# Altium PCB MB1936.PcbDoc (part 9 of 13) (continued)
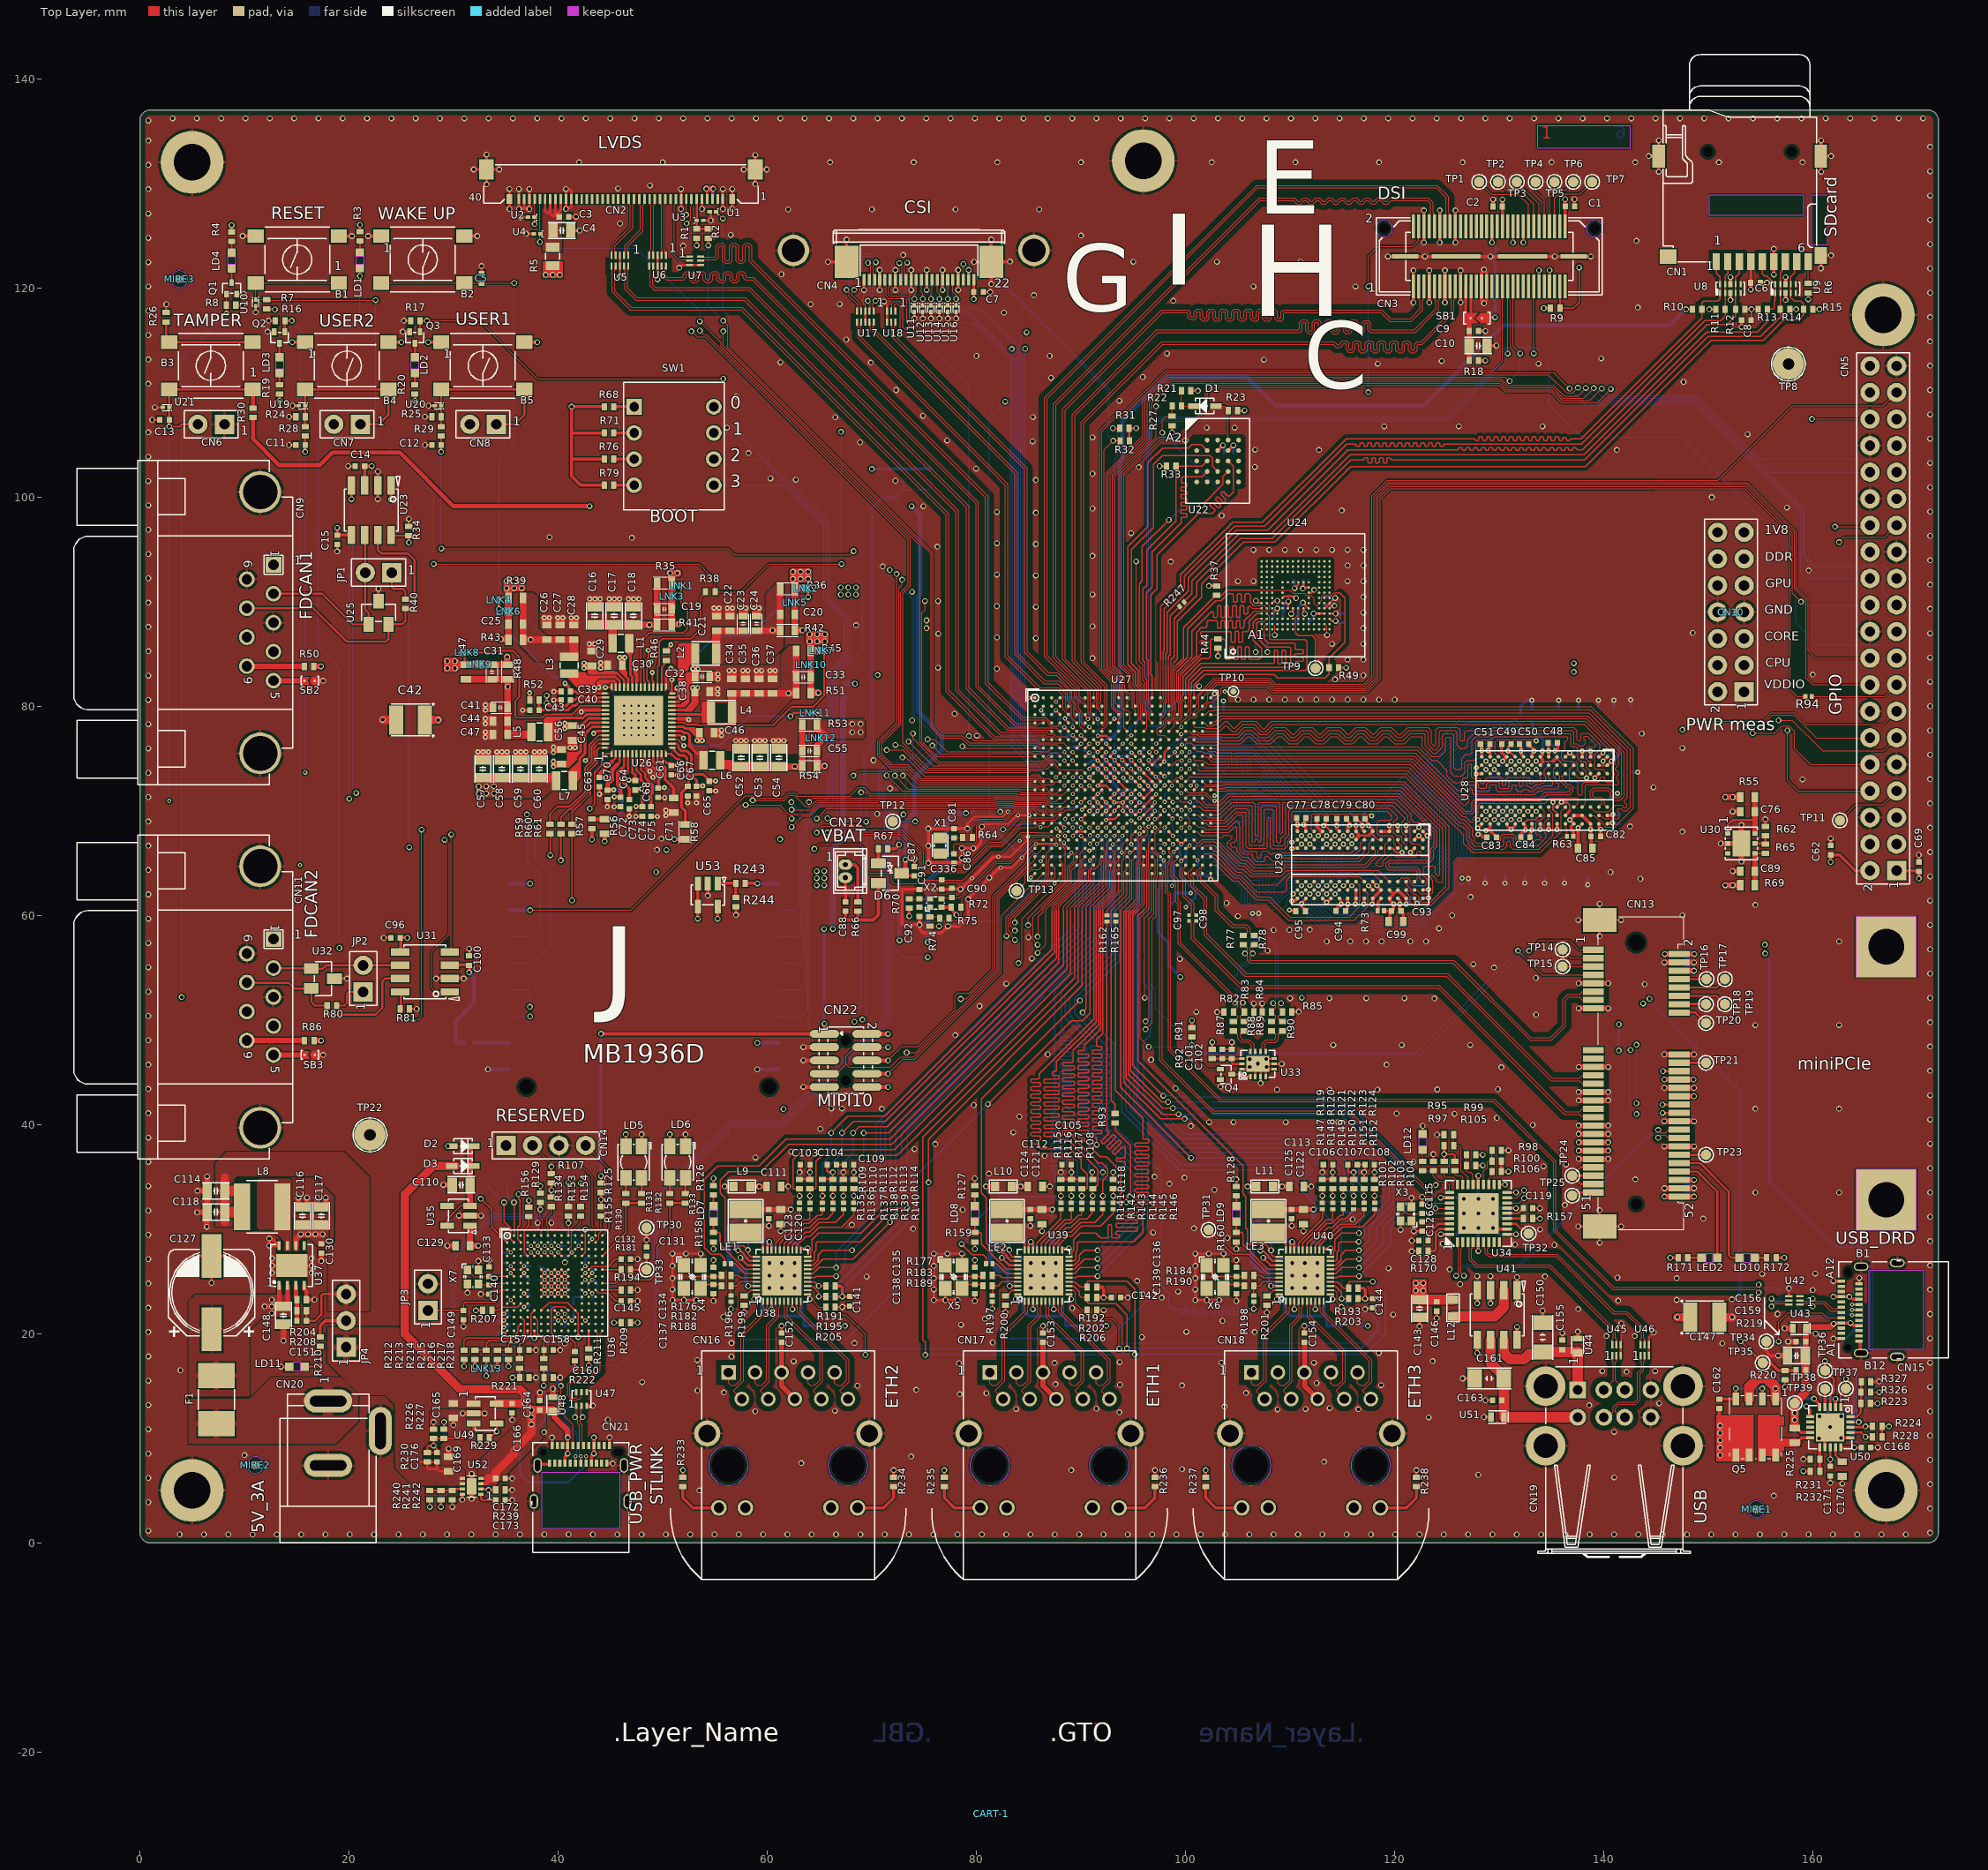
[diagram p0: Top Layer view]
## Nets (pads, with @x,y where several pads share a name; then routed paths per layer and width w, separated by ;. In a path a pad name is that pad's centre, name@x,y a point inside that pad or via, vN(x,y) a via of type N, cw(c..) or ccw(c..) an arc to the next point about the centre after c; other vN are vias at no path point) (continued)
  Signal Layer 2 w0.15: v1(34.515,86.404) 35.354,86.404 35.85,86.9 35.85,88.029 37.275,89.454 37.275,102.529 49.221,114.475 80.951,114.475 82.304,113.122 84.968,113.122 86.596,114.75 103.829,114.75 109.229,109.35 145.279,109.35 155.425,99.204 155.425,84.369 153.876,82.82 151.98,82.82 CN10.4@150.88,83.92
I_SENS_VDDCPU_P: C25.2 C26.2 C27.2 C28.2 CN10.3 L3.2 R39.1 R43.1 | length 174.3
  Top Layer w0.64: R39.1@36.645,90.352 C25.2@36.645,87.852 R43.1@36.645,86.352 C26.2@38.9,86.352 C27.2@40.2,86.352 C28.2@41.5,86.352
  Top Layer w0.8: L3.2@41.05,84.702 41.5,84.702 41.5,86
  Signal Layer 2 w0.15: v1(37.375,86.35) 36.625,86.35 36.1,86.875 36.1,87.925 37.525,89.35 37.525,102.425 49.325,114.225 80.847,114.225 82.201,112.872 85.072,112.872 86.7,114.5 103.725,114.5 109.125,109.1 145.175,109.1 155.15,99.125 155.15,85.65 CN10.3@153.42,83.92
I_SENS_VDDGPU_N: C33.1 CN10.10 LNK10.2 R51.2 | length 128.4
  Top Layer w0.2: C33.1@64.175,82.797 LNK10.2@64.175,83.725
  Top Layer w0.64: R51.2@64.155,81.277 C33.1@64.155,82.777 ; R51.2@64.157,81.279 v1(64.885,81.279)
  Signal Layer 2 w0.15: v1(64.885,81.279) 64.381,80.775 61.839,80.775 61.575,81.039 61.575,84.221 59.223,86.574 59.223,88.101 60.7,89.579 60.7,96.379 68.171,103.85 104.646,103.85 106.171,105.375 142.904,105.375 147.7,100.579 147.7,92.025 148.185,91.54 CN10.10@150.88,91.54
I_SENS_VDDGPU_P: C33.2 C34.2 C35.2 C36.2 C37.2 CN10.9 L4.2 R45.1 R51.1 | length 136.6
  Top Layer w0.64: C34.2@56.6,81.227 C35.2@57.9,81.227 C36.2@59.2,81.227 C37.2@60.5,81.227 R51.1@62.755,81.227 ; R51.1@62.755,81.277 C33.2@62.755,82.777 R45.1@62.755,85.277
  Top Layer w0.8: L4.2@56.625,79.427 56.625,80.9
  Signal Layer 2 w0.15: v1(62.025,81.225) 62.025,84.125 59.473,86.677 59.473,87.998 60.95,89.475 60.95,96.275 68.275,103.6 104.75,103.6 106.275,105.125 142.8,105.125 147.45,100.475 147.45,91.05 148.175,90.325 152.205,90.325 CN10.9@153.42,91.54
I_SENS_VDDIO_N: C55.1 CN10.2 LNK12.1 R54.2 | length 136.5
  Top Layer w0.2: C55.1@64.775,75.797 64.775,76.375 LNK12.1@65.125,76.725
  Top Layer w0.64: R54.2@64.755,74.277 C55.1@64.755,75.727 C55.1@64.755,75.777 ; R54.2@64.757,74.279 v1(65.485,74.279)
  Signal Layer 2 w0.15: v1(65.485,74.279) 64.981,73.775 62.439,73.775 62.175,74.039 62.175,74.411 62.75,74.986 62.75,78.104 65.8,81.154 66.35,81.704 66.35,89.059 65.8,89.609 65.8,90.15 65.8,96.954 69.096,100.25 92.571,100.25 93.721,101.4 105.121,101.4 105.871,102.15 143.175,102.15 145.575,99.75 145.575,84.65 148.845,81.38 CN10.2@150.88,81.38
I_SENS_VDDIO_P: C52.2 C53.2 C54.2 C55.2 CN10.1 L6.2 R53.1 R54.1 | length 144.3
  Top Layer w0.64: C54.2@61.1,74.227 R54.1@63.355,74.227 C55.2@63.355,75.727 R53.1@63.355,78.227
  Top Layer w0.9: L6.2@55.55,74.427 56.35,74.427 56.55,74.227 C52.2@57.5,74.227 C53.2@59.3,74.227 C54.2@61.1,74.227
  Signal Layer 2 w0.15: v1(62.625,74.225) 63,74.6 63,78 66.05,81.05 66.6,81.6 66.6,89.163 66.05,89.713 66.05,96.85 69.2,100 92.675,100 93.825,101.15 105.225,101.15 105.95,101.875 143.097,101.875 145.325,99.647 145.325,84.511 149.741,80.095 152.135,80.095 CN10.1@153.42,81.38
IMU_INT1: CN4.14 U13.1 U27.J6 | length 56.2
  Top Layer w0.1: U13.1@75.66,118.312 v1(75.66,118.937) 75.66,119.55 75.75,119.64 CN4.14@75.75,120.75 ; v2(89.2,74.8) U27.J6@89.6,74.4
  Bottom Layer w0.1: v1(75.66,118.937) 76.422,118.175 80.325,118.175 84.025,114.475 84.025,113.916 84.25,113.691 84.25,77.887 86.937,75.2 88.8,75.2 v2(89.2,74.8)
IMU_INT2: CN4.15 U14.1 U27.K6 | length 63
  Top Layer w0.1: CN4.15@76.25,120.75 76.25,119.595 76.46,119.385 v1(76.46,118.937) U14.1@76.46,118.312 ; v2(89.2,73.2) U27.K6@89.6,73.6
  Bottom Layer w0.1: v1(76.46,118.937) 76.431,118.937 76.006,119.362 73.825,119.362 73.5,119.037 73.5,118.65 74.575,117.575 79.066,117.575 83.45,113.191 83.45,76.67 87.321,72.799 88.8,72.799 v2(89.2,73.2)
JTCK_SWCLK: CN22.4 CN22.7 R153.2 U27.AA1 | length 83.4
  Top Layer w0.1: CN22.7@65.465,44.855 66.605,44.855 67.525,45.775 ; v1(71.55,47.39) 71.545,47.395 CN22.4@69.535,47.395 68.395,47.395 67.525,46.525 67.525,45.775 ; U27.AA1@85.6,64.8 85.596,64.8 85.386,64.59 85.166,64.59 82.175,61.599 82.175,54.583 74.042,46.45 72.7,46.45 71.75,45.5 67.8,45.5 67.525,45.775
  Top Layer w0.2: R153.2@40.975,32.15 40.975,33.45 v1(40.975,34.425)
  Signal Layer 2 w0.1: v1(40.975,34.425) 40.975,34.5 41.6,35.125 42.508,35.125 43.308,34.325 52.301,34.325 58.626,40.65 72.801,40.65 73.825,41.674 73.825,45.115 v1(71.55,47.39)
JTDI: CN22.8 R207.2 U27.AB2 | length 83.4
  Top Layer w0.1: v1(71.55,44.85) 72.95,46.25 74.125,46.25 82.375,54.5 82.375,59.967 86.4,63.992 U27.AB2@86.4,64
  Top Layer w0.3: v1(32.13,22.225) R207.2@32.775,22.225
  Top Layer w0.4: CN22.8@69.535,44.855 71.545,44.855 v1(71.55,44.85)
  Signal Layer 2 w0.1: v1(32.13,22.225) 33.95,24.045 33.95,33.1 35.895,35.045 40.304,35.045 40.984,35.725 44.783,35.725 45.583,34.925 48.867,34.925 52.053,34.925 58.378,41.25 60.525,41.25 61.375,42.1 68.8,42.1 v1(71.55,44.85)
JTDO_SWDO: CN22.6 R129.2 U27.W1 | length 73.5
  Top Layer w0.1: v1(71.55,46.12) 72.88,47.45 74.491,47.45 77.95,50.909 77.95,52.275 78.25,52.575 79.333,52.575 81.575,54.817 81.575,61.805 84.873,65.103 84.873,65.673 U27.W1@85.6,66.4
  Top Layer w0.2: R129.2@38.3,33.45 v1(38.3,34.125)
  Top Layer w0.4: CN22.6@69.535,46.125 71.545,46.125 v1(71.55,46.12)
  Signal Layer 2 w0.1: v1(38.3,34.125) 38.82,34.645 40.47,34.645 41.15,35.325 42.591,35.325 43.391,34.525 52.219,34.525 58.544,40.85 71.825,40.85 72.7,41.725 72.7,44.97 v1(71.55,46.12)
JTMS_SWDIO: CN22.2 R209.2 U27.Y1 | length 91.7
  Top Layer w0.09: v1(73.325,46.875) 74.191,46.875 81.98,54.664 81.98,55.07 81.975,55.075 81.975,56.092
  Top Layer w0.1: 81.975,56.092 81.975,61.668 85.6,65.293 U27.Y1@85.6,65.6
  Top Layer w0.2: R209.2@46.925,21.05 v1(47.6,21.05)
  Top Layer w0.4: CN22.2@69.535,48.665 71.545,48.665 v1(71.55,48.66)
  Signal Layer 2 w0.1: v1(47.6,21.05) 45.05,23.6 45.05,28.825 40.9,32.975 39.499,32.975 38.925,33.549 38.925,33.901 39.197,34.173 39.777,34.173 40.025,33.925 41.076,33.925 41.475,34.324 41.475,34.624 41.776,34.925 42.425,34.925 43.225,34.125 52.384,34.125 58.709,40.45 72.884,40.45 74.025,41.591 74.025,46.185 v1(71.55,48.66)
LED1: LD1.2 U27.AB15 | length 158.6
  Top Layer w0.1: v1(96.1,52.125) 96.075,52.15 96.075,59.725 96.78,60.43 96.78,63.98 U27.AB15@96.8,64
  Top Layer w0.2: v1(21.047,121.125) LD1.2@21.047,121.775
  Signal Layer 2 w0.1: v1(19.075,56.875) 30.375,56.875 33,54.25 93.975,54.25 v1(96.1,52.125)
  Bottom Layer w0.1: v1(19.075,56.875) 19.075,83.625 17.05,85.65 17.05,113.025 21.047,117.022 v1(21.047,121.125)
LED2: Q3.1 R17.2 U27.C13 | length 106.4
  Top Layer w0.09: 93.64,84.475 93.64,83.876 94.565,82.951 94.565,81.76 94.915,81.41 94.915,79.882 95.2,79.597 U27.C13@95.2,79.2
  Top Layer w0.1: v1(27.438,116.85) 32.45,116.85 38,111.3 v1(55.775,111.3) ; 93.64,84.475 93.64,102.151 97.175,105.686 v1(97.175,108.675)
  Top Layer w0.2: Q3.1@26.787,115.8 R17.2@26.788,116.85 v1(27.438,116.85)
  Signal Layer 2 w0.1: v1(55.775,111.3) 86.025,111.3 88.65,108.675 v1(97.175,108.675)
LED3: Q2.1 R16.2 U27.U5 | length 129
  Top Layer w0.09: v2(87.793,67.6) 87.833,67.64 88.051,67.64 88.126,67.715 88.126,67.723 88.403,68 U27.U5@88.8,68
  Top Layer w0.2: Q2.1@13.863,115.8 R16.2@13.863,116.85 v1(14.513,116.85)
  Signal Layer 2 w0.1: v2(15.312,64.812) 15.325,64.825 55.899,64.825 56.774,65.7 72.748,65.7 72.921,65.873 75.923,65.873 76.9,66.85 79.871,66.85 79.971,66.75 85.121,66.75 85.747,67.376 86.97,67.376 87.193,67.6 v2(87.793,67.6)
  Bottom Layer w0.1: v1(14.513,116.85) 15.325,116.038 15.325,64.825 v2(15.312,64.812)
LED4: Q1.1 R8.2 U27.W2 | length 163.4
  Top Layer w0.1: Q1.1@8.273,119.4 R8.2@8.273,118.35 8.273,117.527 v1(8.275,117.525) ; v1(78.5,52) 79.041,52 81.775,54.734 81.775,61.737 85.063,65.025 85.063,65.473 85.48,65.89 85.89,65.89 U27.W2@86.4,66.4
  Signal Layer 2 w0.1: v1(4,52.175) 10.85,52.175 12.325,50.7 21.75,50.7 23.725,52.675 33.025,52.675 77.825,52.675 v1(78.5,52)
  Bottom Layer w0.1: v1(4,52.175) 4,113.25 v1(8.275,117.525)
LVDS1.CLK_N: U5.10 U27.F5 | length 72.2
  Top Layer w0.09: U5.10@46.7,122.075 46.645,122.02 46.645,121.737 46.625,121.717 46.625,121.643 46.625,119.979 47.529,119.075 57.9,119.075 78.3,98.675 78.3,81.554 82.334,77.52 86.693,77.52 86.898,77.315 87.427,77.315 87.437,77.305 87.657,77.085 88.515,77.085 U27.F5@88.8,76.8
LVDS1.CLK_P: U5.9 U27.F4 | length 71.7
  Top Layer w0.09: U5.9@46.3,122.075 46.355,122.02 46.355,121.737 46.375,121.717 46.375,121.539 46.375,119.875 47.425,118.825 57.796,118.825 78.05,98.571 78.05,81.45 82.23,77.27 86.59,77.27 86.775,77.085 87.332,77.085 87.342,77.075 87.575,76.842 87.59,76.827 87.973,76.827 U27.F4@88,76.8
LVDS1.CLKcon_N: CN2.16 U5.1 | length 6.1
  Top Layer w0.09: U5.1@46.7,123.125 46.645,123.18 46.645,123.463 46.625,123.483 46.625,123.557 46.625,123.94 48.125,125.44 48.125,127.88 48.25,128.005 CN2.16@48.25,128.5
LVDS1.CLKcon_P: CN2.17 U5.2 | length 6.1
  Top Layer w0.09: U5.2@46.3,123.125 46.355,123.18 46.355,123.463 46.375,123.483 46.375,123.661 46.375,123.807 46.375,124.044 47.875,125.544 47.875,127.88 47.75,128.005 CN2.17@47.75,128.5
LVDS1.D0_N: U7.6 U27.D3 | length 70.7
  Top Layer w0.09: U7.6@53.625,123 53.68,122.945 53.963,122.945 53.983,122.925 54.873,122.925 54.991,122.925 55.089,123.022 55.089,123.989 55.333,124.233 55.735,124.233 55.979,123.989 55.979,122.682 56.076,122.584 56.271,122.584 56.369,122.682 56.369,123.989 56.613,124.233 57.015,124.233 57.259,123.989 57.259,122.682 57.356,122.584 57.551,122.584 57.649,122.682 57.649,123.989 57.893,124.233 58.295,124.233 58.539,123.989 58.539,122.661 58.642,122.558 81.125,100.075 81.125,82.254 84.454,78.925 85.472,78.925 85.482,78.915 86.642,78.915 87.157,78.4 U27.D3@87.2,78.4
LVDS1.D0_P: U7.5 U27.D4 | length 71.7
  Top Layer w0.09: U7.5@53.625,122.6 53.68,122.655 53.963,122.655 53.983,122.675 54.873,122.675 55.095,122.675 55.339,122.919 55.339,123.885 55.436,123.983 55.631,123.983 55.729,123.885 55.729,122.578 55.973,122.334 56.375,122.334 56.619,122.578 56.619,123.885 56.716,123.983 56.911,123.983 57.009,123.885 57.009,122.578 57.253,122.334 57.655,122.334 57.899,122.578 57.899,123.885 57.996,123.983 58.191,123.983 58.289,123.885 58.289,122.558 58.557,122.289 80.875,99.971 80.875,82.15 84.35,78.675 85.472,78.675 85.482,78.685 86.603,78.685 86.875,78.413 86.875,78.3 87.06,78.115 87.715,78.115 U27.D4@88,78.4
LVDS1.D0con_N: CN2.10 U7.1 | length 6.8
  Top Layer w0.09: CN2.10@51.25,128.5 51.25,128.005 51.125,127.88 51.125,123.45 51.65,122.925 52.217,122.925 52.237,122.945 52.52,122.945 U7.1@52.575,123
LVDS1.D0con_P: CN2.11 U7.2 | length 7.2
  Top Layer w0.09: CN2.11@50.75,128.5 50.75,128.005 50.875,127.88 50.875,123.346 51.071,123.15 51.248,122.973 51.546,122.675 52.217,122.675 52.237,122.655 52.52,122.655 U7.2@52.575,122.6
LVDS1.D1_N: U6.10 U27.D1 | length 69.7
  Top Layer w0.09: U6.10@50.3,122.075 50.245,122.02 50.245,121.737 50.225,121.717 50.225,121.643 50.225,121.2 50.437,120.988 51.736,120.988 51.854,120.987 51.951,121.085 51.951,121.311 52.195,121.555 52.597,121.555 52.841,121.311 52.841,120.864 52.939,120.767 53.134,120.767 53.231,120.864 53.231,121.311 53.475,121.555 53.877,121.555 54.121,121.311 54.121,120.864 54.219,120.767 54.414,120.767 54.511,120.864 54.511,121.311 54.755,121.555 55.157,121.555 55.401,121.311 55.401,120.864 55.499,120.767 55.694,120.767 55.791,120.864 55.791,121.311 56.035,121.555 56.437,121.555 56.681,121.311 56.681,120.864 56.779,120.767 56.974,120.767 57.071,120.864 57.071,121.311 57.315,121.555 57.717,121.555 57.961,121.311 57.961,121.085 58.059,120.987 58.691,120.987 58.794,120.885 80.2,99.479 80.2,81.954 83.789,78.365 85.565,78.365 U27.D1@85.6,78.4
LVDS1.D1_P: U6.9 U27.D2 | length 71.1
  Top Layer w0.09: U6.9@49.9,122.075 49.955,122.02 49.955,121.737 49.975,121.717 49.975,121.539 49.975,121.096 50.334,120.738 51.736,120.738 51.957,120.738 52.201,120.981 52.201,121.208 52.299,121.305 52.494,121.305 52.591,121.208 52.591,120.761 52.835,120.517 53.237,120.517 53.481,120.761 53.481,121.208 53.579,121.305 53.774,121.305 53.871,121.208 53.871,120.761 54.115,120.517 54.517,120.517 54.761,120.761 54.761,121.208 54.859,121.305 55.054,121.305 55.151,121.208 55.151,120.761 55.395,120.517 55.797,120.517 56.041,120.761 56.041,121.208 56.139,121.305 56.334,121.305 56.431,121.208 56.431,120.761 56.675,120.517 57.077,120.517 57.321,120.761 57.321,121.208 57.419,121.305 57.614,121.305 57.711,121.208 57.711,120.981 57.955,120.738 58.588,120.738 58.794,120.531 79.95,99.375 79.95,81.85 83.685,78.115 85.718,78.115 86.003,78.4 U27.D2@86.4,78.4
LVDS1.D1con_N: CN2.12 U6.1 | length 5.5
  Top Layer w0.09: CN2.12@50.25,128.5 50.25,128.005 50.125,127.88 50.125,123.761 50.225,123.661 50.225,123.483 50.245,123.463 50.245,123.18 U6.1@50.3,123.125
LVDS1.D1con_P: CN2.13 U6.2 | length 5.5
  Top Layer w0.09: CN2.13@49.75,128.5 49.75,128.005 49.875,127.88 49.875,123.657 49.975,123.557 49.975,123.483 49.955,123.463 49.955,123.18 U6.2@49.9,123.125
LVDS1.D2_N: U6.7 U27.E4 | length 68.6
  Top Layer w0.09: U6.7@49.1,122.075 49.045,122.02 49.045,121.737 49.025,121.717 49.025,121.643 49.025,120.304 49.279,120.05 58.325,120.05 79.275,99.1 79.275,81.754 81.349,79.679 81.349,79.669 83.083,77.935 87.665,77.935 U27.E4@88,77.6
LVDS1.D2_P: U6.6 U27.E3 | length 68.1
  Top Layer w0.09: U6.6@48.7,122.075 48.755,122.02 48.755,121.737 48.775,121.717 48.775,121.539 48.775,120.2 49.175,119.8 58.221,119.8 79.025,98.996 79.025,81.65 81.172,79.503 81.183,79.503 82.986,77.7 87.043,77.7 87.143,77.6 U27.E3@87.2,77.6
LVDS1.D2con_N: CN2.14 U6.4 | length 5.5
  Top Layer w0.09: U6.4@49.1,123.125 49.045,123.18 49.045,123.463 49.025,123.483 49.025,123.557 49.125,123.657 49.125,127.88 49.25,128.005 CN2.14@49.25,128.5
LVDS1.D2con_P: CN2.15 U6.5 | length 5.5
  Top Layer w0.09: U6.5@48.7,123.125 48.755,123.18 48.755,123.463 48.775,123.483 48.775,123.661 48.875,123.761 48.875,127.88 48.75,128.005 CN2.15@48.75,128.5
LVDS1.D3_N: U5.7 U27.F3 | length 71.8
  Top Layer w0.09: U5.7@45.5,122.075 45.445,122.02 45.445,121.737 45.425,121.717 45.425,121.517 45.425,119.7 47,118.125 57.6,118.125 77.35,98.375 77.35,81.5 81.76,77.09 86.513,77.09 86.803,76.8 U27.F3@87.2,76.8
LVDS1.D3_P: U5.6 U27.F2 | length 71.3
  Top Layer w0.09: U5.6@45.1,122.075 45.155,122.02 45.155,121.737 45.175,121.717 45.175,121.413 45.175,119.596 46.896,117.875 57.496,117.875 77.1,98.271 77.1,81.396 81.614,76.882 86.261,76.882 86.343,76.8 U27.F2@86.4,76.8
LVDS1.D3con_N: CN2.18 U5.4 | length 6.2
  Top Layer w0.09: U5.4@45.5,123.125 45.445,123.18 45.445,123.463 45.425,123.483 45.425,123.557 45.425,124.013 47.125,125.713 47.125,127.88 47.25,128.005 CN2.18@47.25,128.5
LVDS1.D3con_P: CN2.19 U5.5 | length 6.2
  Top Layer w0.09: U5.5@45.1,123.125 45.155,123.18 45.155,123.463 45.175,123.483 45.175,123.661 45.175,124.116 46.875,125.816 46.875,127.88 46.75,128.005 CN2.19@46.75,128.5
LVDS.RESET: CN2.6 R1.2 R2.2 U3.1 | length 4
  Top Layer w0.2: CN2.6@53.25,128.5 U3.1@53.25,126.45 R1.2@53.25,125.645 R2.2@54.35,125.645
mkB.AN: U27.V5 U53.3 U53.4 | length 45.4
  Top Layer w0.09: v2(88.471,67.58) 88.471,67.555 88.8,67.225 U27.V5@88.8,67.2
  Top Layer w0.3: v1@53.362,59.687 U53.4@53.362,60.838 U53.3@53.362,63.038
  Signal Layer 2 w0.1: v1(53.35,59.675) 54.375,60.7 79.225,60.7 80.6,62.075 87.75,62.075 88.525,62.85 88.525,66.3 88.925,66.7 88.925,67.125 v2(88.471,67.58)
mkB.CS: CN25.3 U27.R6 | length 42.5
  Top Layer w0.1: v2(89.2,69.2) U27.R6@89.6,69.6
  Signal Layer 2 w0.1: v1(62.325,69.25) 63.267,70.192 64.45,70.192 65.133,70.875 86.519,70.875 87.819,69.575 88.825,69.575 v2(89.2,69.2)
  Bottom Layer w0.1: CN25.3@61.055,57.96 62.91,57.96 63.275,58.325 63.275,68.3 v1(62.325,69.25)
mkB.INT: CN25.15 U27.N3 | length 57.6
  Top Layer w0.09: 81.172,71.64 83.877,71.64 83.982,71.535 86.75,71.535 87.045,71.24 87.16,71.24 U27.N3@87.2,71.2
  Top Layer w0.1: v1(37.31,60.495) 46.995,60.495 57.925,71.425 58.85,71.425 59.075,71.2 61.567,71.2 62.042,71.675 62.658,71.675 62.933,71.4 67.9,71.4 68.725,72.225 69.273,72.225 69.858,71.64 81.172,71.64
  Bottom Layer w0.4: CN25.15@35.295,60.5 v1@37.305,60.5
mkB.MISO: CN25.5 U27.N6 | length 48.9
  Top Layer w0.1: v2(89.2,70.8) U27.N6@89.6,71.2
  Signal Layer 2 w0.1: v1(62.3,70.825) 63.075,70.825 63.508,70.392 64.367,70.392 65.05,71.075 86.594,71.075 86.869,70.8 v2(89.2,70.8)
  Bottom Layer w0.1: CN25.5@61.055,52.88 63.23,52.88 63.675,53.325 63.675,69.45 v1(62.3,70.825)
mkB.MOSI: CN25.6 U27.N5 | length 48.4
  Top Layer w0.09: 81.172,71.2 81.652,71.2 81.712,71.26 83.748,71.26 83.833,71.175 86.551,71.175 87.031,70.695 88.295,70.695 U27.N5@88.8,71.2
  Top Layer w0.1: v1(63.975,70.825) 64.35,71.2 81.172,71.2
  Bottom Layer w0.1: CN25.6@61.055,50.34 63.265,50.34 63.875,50.95 63.875,70.125 63.975,70.225 v1(63.975,70.825)
mkB.PWM: CN25.16 U27.AB4 | length 54.3
  Top Layer w0.1: v2(87.475,63.05) 88,63.575 U27.AB4@88,64
  Signal Layer 2 w0.1: v1(37.31,63.035) 37.745,62.6 54.875,62.6 55.6,61.875 67.35,61.875 68.525,63.05 v2(87.475,63.05)
  Bottom Layer w0.4: CN25.16@35.295,63.04 v1@37.305,63.04
mkB.RST: CN25.2 U27.P5 | length 37.9
  Top Layer w0.09: 83.395,70.522 83.453,70.522 83.53,70.445 85.689,70.445 86.059,70.075 86.597,70.075 86.777,69.895 87.623,69.895 87.828,70.1 ; 88.125,70.1 88.405,70.38 88.78,70.38 U27.P5@88.8,70.4
  Top Layer w0.1: v1(62.325,68.45) 63.35,69.475 64.075,69.475 65,70.4 81.905,70.4 82.027,70.522 83.395,70.522 ; 87.828,70.1 88.125,70.1
  Bottom Layer w0.1: CN25.2@61.055,60.5 62.7,60.5 63.075,60.875 63.075,67.7 v1(62.325,68.45)
mkB.RX: CN25.14 U27.P3 | length 67.3
  Top Layer w0.09: 81.172,71 81.706,71 81.786,71.08 83.673,71.08 83.758,70.995 86.477,70.995 87.032,70.44 87.16,70.44 U27.P3@87.2,70.4
  Top Layer w0.1: v1(58.6,71) 61.65,71 62.125,71.475 62.575,71.475 63.65,70.4 64.151,70.4 64.751,71 81.172,71
  Signal Layer 2 w0.1: v1(37.025,69.65) 37.057,69.618 45.267,69.618 45.274,69.625 45.9,69.625 46.65,68.875 50.441,68.875 51.041,69.475 55.975,69.475 57.5,71 v1(58.6,71)
  Bottom Layer w0.1: CN25.14@35.295,57.96 37.36,57.96 38.3,58.9 38.3,63.9 37.025,65.175 v1(37.025,69.65)
mkB.SCK: CN25.4 U27.P4 | length 44
  Top Layer w0.09: 81.863,70.895 83.604,70.895 83.694,70.805 86.412,70.805 86.695,70.522 86.695,70.28 86.9,70.075 87.45,70.075 87.775,70.4 U27.P4@88,70.4
  Top Layer w0.1: v1(62.325,70.1) 64.134,70.1 64.834,70.8 81.768,70.8 81.863,70.895
  Bottom Layer w0.1: CN25.4@61.055,55.42 63.07,55.42 63.475,55.825 63.475,68.95 v1(62.325,70.1)
mkB.TX: CN25.13 U27.P2 | length 67.1
  Top Layer w0.09: 81.862,70.625 81.869,70.625 81.951,70.707 83.537,70.707 83.619,70.625 86.175,70.625 U27.P2@86.4,70.4
  Top Layer w0.1: v1(57.925,70.55) 61.175,70.55 62.05,69.675 63.992,69.675 64.917,70.6 81.837,70.6 81.862,70.625
  Signal Layer 2 w0.1: v1(37.825,68.7) 37.85,68.675 50.524,68.675 51.124,69.275 56.058,69.275 57.333,70.55 v1(57.925,70.55)
  Bottom Layer w0.1: CN25.13@35.295,55.42 37.545,55.42 39.275,57.15 39.275,64.05 37.825,65.5 v1(37.825,68.7)
NetB2_3: B2.3 B2.4 C5.2 U26.1 | length 77.7
  Top Layer w0.1: B2.3@23.073,120.45 B2.4@31.023,120.45 C5.2@32.675,120.45 v1(35.8,120.45)
  Top Layer w0.15: v1(43.025,70.2) 43.475,70.65 43.475,73.629 44.162,74.316 44.162,75.064 44.555,75.457 U26.1@45.1,75.457
  Bottom Layer w0.1: v1(35.8,120.45) 35.8,105.05 34.35,103.6 34.35,91 40.125,85.225 43.95,85.225 45.275,83.9 45.275,75.625 43.025,73.375 v1(43.025,70.2)
NetB3_3: B3.3 B3.4 R26.1 | length 10
  Top Layer w0.2: R26.1@2.5,116.738 2.5,115.113 B3.4@2.812,114.8 B3.3@10.763,114.8
NetB4_3: B4.3 B4.4 CN7.1 R24.2 R28.2 U19.1 | length 17
  Top Layer w0.2: R28.2@15.813,106.725 R24.2@15.813,107.675 15.813,108.725 B4.3@15.812,110.3 B4.4@23.763,110.3 23.763,107.85 22.863,106.95 CN7.1@21.083,106.95
NetB5_3: B5.3 B5.4 CN8.1 R25.2 R29.2 U20.1 | length 17
  Top Layer w0.2: R29.2@28.813,106.725 R25.2@28.813,107.675 28.813,108.725 B5.3@28.813,110.3 B5.4@36.763,110.3 36.763,107.85 35.863,106.95 CN8.1@34.083,106.95
NetC43_1: C43.1 R52.1 U26.45 | length 7.6
  Top Layer w0.21: 43.975,80.427 U26.45@44.53,80.427
  Top Layer w0.25: R52.1@38.175,80.575 38.185,80.565 C43.1@38.185,79.627 ; C43.1@38.215,79.617 40.931,79.617 41.376,80.062 41.651,80.062 42.016,80.427 43.975,80.427
NetC66_2: C66.2 R58.1 U26.14 | length 8.5
  Top Layer w0.21: U26.14@50.3,75.457 50.81,75.457 51.348,74.919 51.588,74.919 51.945,74.561 51.945,73.429 52.445,72.929 C66.2@52.445,72.377
  Top Layer w0.3: R58.1@52.15,68.675 52.15,69.989 51.8,70.339 51.8,71.732 52.27,72.202 52.27,72.22 52.427,72.377 C66.2@52.445,72.377
NetC70_2: C70.2 R56.2 R57.2 U26.3 | length 10.4
  Top Layer w0.21: 45.673,74.425 45.9,74.652 U26.3@45.9,75.457
  Top Layer w0.3: C70.2@44.675,72.002 44.7,72.002 v3@45.285,72.002
  Top Layer w0.4: R57.2@43.225,69.202 R56.2@44.45,69.202 45.448,69.202 v1(45.45,69.2) ; C70.2@44.7,72.002 44.714,72.016 44.714,72.512 45.16,72.958 45.16,73.912 45.673,74.425
  Bottom Layer w0.3: v3(45.31,72.002) 45.723,72.002 46.075,71.65 46.075,69.825 v1(45.45,69.2)
NetC71_2: C71.2 U26.12 | length 4.9
  Top Layer w0.21: U26.12@49.5,75.457 49.5,74.843 49.671,74.672
  Top Layer w0.3: 49.671,74.672 50.225,74.118 50.225,73.001 51.05,72.176 C71.2@51.05,71.227
NetC75_1: C75.1 U26.8 | length 5.4
  Top Layer w0.21: U26.8@47.9,75.457 47.9,73.961 48.325,73.536 48.325,73.172 48.498,73
  Top Layer w0.3: 48.498,73 49,72.497 49,71.67 48.875,71.545 C75.1@48.875,70.532
NetC76_2: C76.2 R55.2 U30.1 U30.6 | length 7.1
  Top Layer w0.2: U30.1@151.855,67.825 151.855,68.65 152.305,69.1 154.455,69.1
  Top Layer w0.5: U30.6@154.455,67.825 154.455,69.1 R55.2@154.455,71.3
NetC81_1: C81.1 R64.2 X1.1 | length 2.2
  Top Layer w0.1: X1.1@76.525,67.4 78.65,67.4 R64.2@78.7,67.45
NetC88_2: C88.2 D6.2 R66.2 | length 8
  Top Layer w0.3: C88.2@67.475,60.4 67.475,59.726 67.651,59.55 68.675,59.55 ; R66.2@68.675,60.395 68.675,59.55 ; D6.2@70.625,63.075 70.625,60.025 70.15,59.55 68.675,59.55
NetC89_2: C89.2 R65.2 R69.1 U30.4 | length 4
  Top Layer w0.2: U30.4@154.455,65.925 R65.2@155.455,65.925
  Top Layer w0.5: R69.1@154.455,62.875 C89.2@154.455,64.225 U30.4@154.455,65.925
NetC91_2: C91.2 R70.2 X2.4 | length 2
  Top Layer w0.1: R70.2@73.575,61.575 C91.2@74.55,61.575 X2.4@75.548,61.576 X2.4@75.548,61.576
NetC92_1: C92.1 R74.1 R75.1 X2.1 | length 2.9
  Top Layer w0.09: C92.1@74.55,60.775 X2.1@75.548,60.776 X2.1@75.548,60.776 75.548,59.852 R74.1@75.55,59.85 76.35,59.85 R75.1@76.475,59.725
NetC101_2: C101.2 C102.2 R92.2 U33.12 U33.13 | length 4.2
  Top Layer w0.2: R92.2@102.55,46.29 C101.2@103.525,46.29 C102.2@104.425,46.29 ; U33.13@105.375,45.79 104.525,45.79 104.425,45.89 C102.2@104.425,46.29 ; U33.12@105.375,46.29 C102.2@104.425,46.29
NetC110_2: C110.2 D2.2 D3.2 U35.3 U35.5 | length 8.9
  Top Layer w0.15: U35.5@29.37,30.325 29.37,30.925 30.67,32.225 U35.3@31.57,32.225
  Top Layer w0.6: U35.3@31.57,32.225 31.57,34.3 D2.2@31.57,37.825
NetC114_2: C114.2 C118.2 C151.1 JP4.3 L8.2 R208.1 | length 16.1
  Top Layer w0.2: R208.1@15.925,22.2 C151.1@15.925,21.225 16.75,21.225 17.35,21.825 17.35,23.663 17.467,23.78 JP4.3@19.725,23.78
  Top Layer w0.8: 8.125,30.675 C118.2@8.125,31.625 C114.2@8.125,33.65 8.125,34.95
  Top Layer w1: C118.2@8.125,31.625 9.425,31.625 9.8,32 9.8,32.1 L8.2@9.775,32.125 9.775,33.275 9.4,33.65 C114.2@8.125,33.65
NetC115_2: C115.2 U34.32 X3.3 | length 5
  Top Layer w0.1: X3.3@120.555,32.125 120.555,32.075 121.18,31.45 122.18,31.45 122.23,31.5 C115.2@122.625,31.5 U34.32@125.25,31.5
NetC116_2: C116.2 C117.2 C127.1 C130.2 C148.2 F1.2 U37.1 U37.2 U37.6 | length 9.3
  Top Layer w0.4: C148.2@13.325,22.6 13.325,23.725 U37.1@13.325,24.6 ; C148.2@13.875,22.6 14.125,22.85 U37.2@14.125,24.6
  Top Layer w0.5: v1(11.925,22.6) v1(12.625,22.6) ; U37.6@14.925,28.4 14.925,29.05 v1(15.375,29.5) v1(16.075,29.5) v1(16.775,29.5) v1(17.475,29.5)
  Top Layer w0.55: v1(12.625,22.6) 13.325,22.6 C148.2@13.725,22.6
  other v1: 12.625,21.95 12.625,23.25
NetC119_2: C119.2 U34.14 | length 1.8
  Top Layer w0.2: U34.14@130.75,31.5 131.811,31.5 C119.2@132.311,32
NetC126_2: C126.2 U34.33 X3.1 | length 3.8
  Top Layer w0.1: X3.1@121.605,30.775 121.68,30.7 C126.2@122.625,30.7 123.2,30.7 123.5,31 U34.33@125.25,31
NetC128_2: C128.2 U34.34 | length 3.1
  Top Layer w0.2: C128.2@123.2,28.9 123.2,29.545 124.155,30.5 U34.34@125.25,30.5
NetC131_2: C131.2 R181.2 TP33.1 | length 2.8
  Top Layer w0.2: R181.2@46.925,26.125 TP33.1@48.45,26.125 C131.2@48.45,27.4
NetC132_2: C132.2 U36.F13 | length 3.5
  Top Layer w0.12: U36.F13@42.925,26.125 43.225,26.425 44.775,26.425 45.475,27.125 C132.2@46.025,27.125
NetC134_2: C134.2 R182.1 X4.1 | length 4.3
  Top Layer w0.15: X4.1@52.025,26.525 52.534,26.016 52.534,25.716 52.8,25.45 C134.2@54.85,25.45 55.5,25.45 R182.1@55.625,25.575
NetC135_2: C135.2 R183.1 X5.1 | length 4.3
  Top Layer w0.15: X5.1@77.025,26.525 77.534,26.016 77.534,25.716 77.8,25.45 C135.2@79.85,25.45 80.5,25.45 R183.1@80.625,25.575
NetC136_2: C136.2 R184.1 X6.1 | length 4.3
  Top Layer w0.15: X6.1@102.025,26.525 102.534,26.016 102.534,25.716 102.8,25.45 C136.2@104.85,25.45 105.5,25.45 R184.1@105.625,25.575
NetC137_2: C137.2 R188.1 X4.3 | length 2.2
  Top Layer w0.15: X4.3@53.625,24.325 54,24.7 C137.2@54.85,24.7 55.5,24.7 R188.1@55.625,24.575
NetC138_2: C138.2 R189.1 X5.3 | length 2.2
  Top Layer w0.15: X5.3@78.625,24.325 79,24.7 C138.2@79.85,24.7 80.5,24.7 R189.1@80.625,24.575
NetC139_2: C139.2 R190.1 X6.3 | length 2.2
  Top Layer w0.15: X6.3@103.625,24.325 104,24.7 C139.2@104.85,24.7 105.5,24.7 R190.1@105.625,24.575
NetC145_2: C145.2 U36.J14 | length 2.9
  Top Layer w0.12: U36.J14@43.575,24.175 43.875,23.875 44.75,23.875 45.5,23.125 C145.2@46.025,23.125
NetC150_2: C150.2 C155.2 CN19.T1 U41.7 U44.1 | length 12.5
  Top Layer w1: U41.7@130.43,19.4 130.43,18.136 131.016,17.55 132.37,17.55 132.87,18.05 133.95,18.05 C150.2@134.15,18.25 136.025,18.25 U44.1@137.5,18.25 ; CN19.T1@137.5,14.62 U44.1@137.5,18.25 ; U44.1@137.5,18.275 U44.1@137.5,18.25
NetC151_2: C151.2 R204.2 R208.2 U37.3 | length 3.4
  Top Layer w0.4: U37.3@14.925,24.6 14.925,23.445 15.025,23.345 R204.2@15.025,23.25 R208.2@15.025,22.2 C151.2@15.025,21.225
NetC152_2: C152.2 CN16.5 CN16.6 | length 6
  Top Layer w0.5: C152.2@61.365,19.175 CN16.5@61.365,16.29 61.365,15.02 CN16.6@62.635,13.75
NetC153_2: C153.2 CN17.5 CN17.6 | length 6
  Top Layer w0.5: C153.2@86.365,19.175 CN17.5@86.365,16.29 86.365,15.02 CN17.6@87.635,13.75
NetC154_2: C154.2 CN18.5 CN18.6 | length 6
  Top Layer w0.5: C154.2@111.365,19.175 CN18.5@111.365,16.29 111.365,15.02 CN18.6@112.635,13.75
NetC160_2: C160.2 U36.M10 | length 7.6
  Top Layer w0.12: U36.M10@40.975,22.225 40.625,22.575 39.6,22.575 39.35,22.325 39.35,20.075 39.8,19.625 41.075,19.625 41.6,19.1 C160.2@41.6,18.3
NetC161_2: C161.2 C163.2 CN19.B1 U41.6 U51.1 | length 14.9
  Top Layer w1: U41.6@129.16,19.4 129.16,17.19 130.245,16.105 130.245,15.915 C161.2@130.445,15.715 130.445,13.626 U51.1@130.445,12.025 ; U51.1@130.47,12 CN19.B1@137.5,12
NetC168_2: C168.2 CN15.A5 U50.15 | length 25.1
  Top Layer w0.1: v1(156.71,19.25) 156.71,21.085 157.597,21.972 160.878,21.972 161.325,21.525 CN15.A5@162.7,21.525
  Top Layer w0.2: U50.15@162.65,9.125 v1(163.95,9.125) C168.2@164.625,9.125
  Bottom Layer w0.2: v1(156.71,19.25) 156.71,19.235 161.275,14.67 163.696,14.67 163.9,14.466 163.9,12.316 163.6,12.016 163.6,9.475 v1(163.95,9.125)
NetC170_2: C170.2 U50.14 | length 1.6
  Top Layer w0.2: U50.14@162.15,9.125 162.15,8.395 C170.2@162.8,7.745
NetC171_2: C171.2 CN15.B5 U50.13 | length 22.4
  Top Layer w0.1: v5(163.74,22.775) CN15.B5@164.4,22.775
  Top Layer w0.2: C171.2@161.65,7.3 v1(161.65,7.975) U50.13@161.65,9.125
  Bottom Layer w0.2: v1(161.65,7.975) 163.7,7.975 164.425,8.7 164.425,9.425 163.9,9.95 163.9,11.747 164.2,12.047 164.2,16.075 162.575,17.7 162.575,18.975 164.75,21.15 164.75,22.508 164.483,22.775 v5(163.74,22.775)
NetC173_2: C173.2 U52.1 | length 1.9
  Top Layer w0.2: U52.1@32.625,4.65 32.625,4.192 32.742,4.075 C173.2@34.025,4.075
NetC181_2: C181.2 C182.2 U24.C2 | length 3
  Top Layer w0.09: U24.C2@108.275,87.85 108.525,87.6 v1(108.525,86.8)
  Bottom Layer w0.2: C181.2@106.7,86.8 C182.2@107.825,86.8 v1(108.525,86.8)